# Altium PCB STB_LightBoard.PcbDoc (part 24 of 31) (continued)
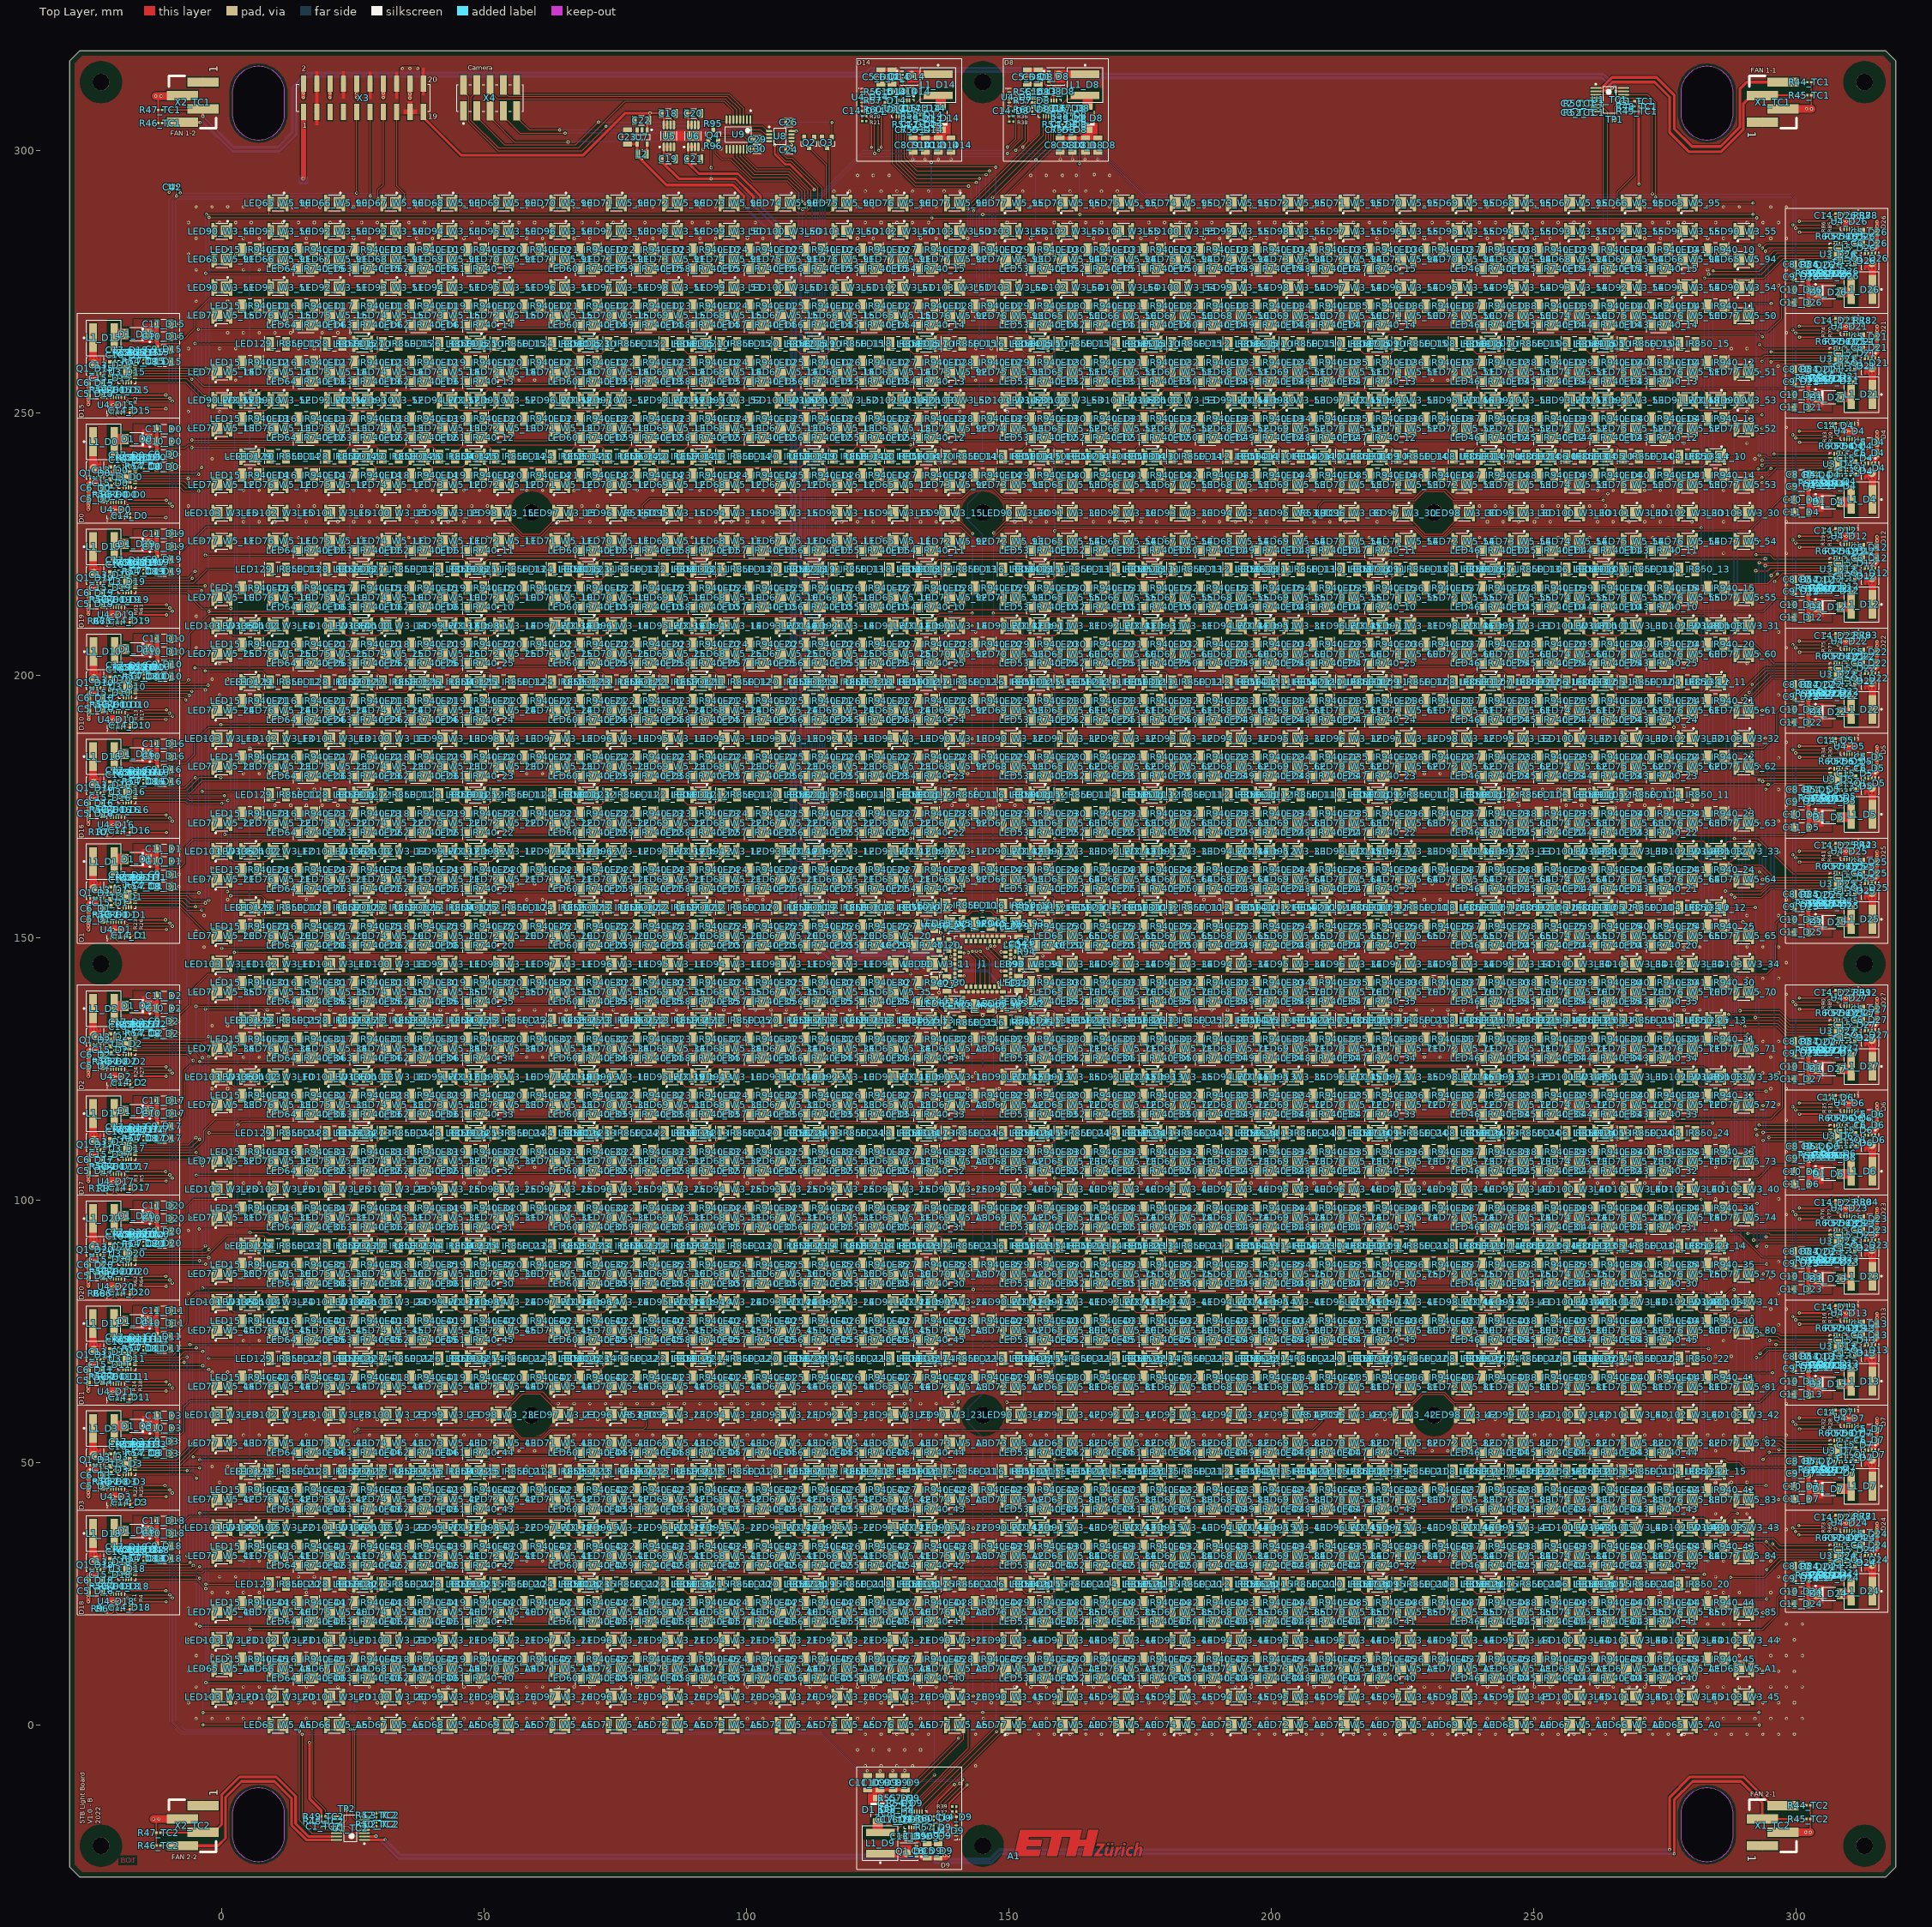
[diagram p0: Top Layer view]
## Nets (pads, with @x,y where several pads share a name; then routed paths per layer and width w, separated by ;. In a path a pad name is that pad's centre, name@x,y a point inside that pad or via, vN(x,y) a via of type N, cw(c..) or ccw(c..) an arc to the next point about the centre after c; other vN are vias at no path point) (continued)
  Top Layer w0.2: LED73_W5_81.1@247.678,64.44 LED73_W5_81.1@248.743,64.44 LED74_W5_81.2@256.084,64.44 256.525,64.44 LED74_W5_81.2@256.576,64.389
NetLED73_W5_82_1: LED73_W5_82.1 LED74_W5_82.2 | length 8.9
  Top Layer w0.2: LED73_W5_82.1@247.678,53.7 LED73_W5_82.1@248.743,53.7 LED74_W5_82.2@256.084,53.7 256.525,53.7 LED74_W5_82.2@256.576,53.649
NetLED73_W5_83_1: LED73_W5_83.1 LED74_W5_83.2 | length 8.9
  Top Layer w0.2: LED73_W5_83.1@247.678,42.96 LED73_W5_83.1@248.743,42.96 LED74_W5_83.2@256.084,42.96 256.525,42.96 LED74_W5_83.2@256.576,42.909
NetLED73_W5_84_1: LED73_W5_84.1 LED74_W5_84.2 | length 8.9
  Top Layer w0.2: LED73_W5_84.1@247.678,32.22 LED73_W5_84.1@248.743,32.22 LED74_W5_84.2@256.084,32.22 256.525,32.22 LED74_W5_84.2@256.576,32.169
NetLED73_W5_85_1: LED73_W5_85.1 LED74_W5_85.2 | length 8.9
  Top Layer w0.2: LED73_W5_85.1@247.678,21.48 LED73_W5_85.1@248.743,21.48 LED74_W5_85.2@256.084,21.48 256.525,21.48 LED74_W5_85.2@256.576,21.429
NetLED73_W5_90_1: LED73_W5_90.1 LED74_W5_90.2 | length 11.8
  Top Layer w0.2: LED73_W5_90.1@97.329,289.98 97.919,289.98 LED73_W5_90.1@98.369,289.98 98.369,288.705 98.696,288.378 105.383,288.378 105.71,288.705 LED74_W5_90.2@105.71,289.98 LED74_W5_90.2@106.325,289.98
NetLED73_W5_91_1: LED73_W5_91.1 LED74_W5_91.2 | length 9
  Top Layer w0.2: LED73_W5_91.1@86.563,279.24 LED73_W5_91.1@87.628,279.24 LED74_W5_91.2@94.969,279.24 LED74_W5_91.2@95.559,279.24
NetLED73_W5_92_1: LED73_W5_92.1 LED74_W5_92.2 | length 15.2
  Top Layer w0.2: v1(137.319,236.28) LED73_W5_92.1@137.933,236.28 LED73_W5_92.1@138.523,236.28 ; LED74_W5_92.2@140.743,247.02 LED74_W5_92.2@141.333,247.02 v1(142.019,247.02)
  Bottom Layer w0.2: v1(137.319,236.28) 137.319,242.32 v1(142.019,247.02)
NetLED73_W5_93_1: LED73_W5_93.1 LED74_W5_93.2 | length 15.1
  Top Layer w0.2: v1(148.02,247.02) LED74_W5_93.2@148.674,247.02 ; LED73_W5_93.1@151.009,236.28 LED73_W5_93.1@152.074,236.28 v1(152.78,236.28)
  Bottom Layer w0.2: v1(148.02,247.02) 152.78,242.26 v1(152.78,236.28)
NetLED73_W5_94_1: LED73_W5_94.1 LED74_W5_94.2 | length 7.9
  Top Layer w0.2: LED74_W5_94.2@195.038,279.24 LED73_W5_94.1@202.379,279.24 LED73_W5_94.1@202.969,279.24
NetLED73_W5_95_1: LED73_W5_95.1 LED74_W5_95.2 | length 9
  Top Layer w0.2: LED74_W5_95.2@183.682,289.98 184.747,289.98 192.088,289.98 LED73_W5_95.1@192.678,289.98
NetLED73_W5_A0_1: LED73_W5_A0.1 LED74_W5_A0.2 | length 9
  Top Layer w0.2: LED74_W5_A0.2@183.682,0 184.747,0 192.088,0 LED73_W5_A0.1@192.678,0
NetLED73_W5_A1_1: LED73_W5_A1.1 LED74_W5_A1.2 | length 9
  Top Layer w0.2: LED74_W5_A1.2@194.423,10.74 195.488,10.74 202.829,10.74 LED73_W5_A1.1@203.419,10.74
NetLED73_W5_A2_1: LED73_W5_A2.1 LED74_W5_A2.2 | length 15.6
  Top Layer w0.2: v1(148.06,42.96) LED74_W5_A2.2@148.674,42.96 LED74_W5_A2.2@149.264,42.96 ; LED73_W5_A2.1@151.009,53.7 LED73_W5_A2.1@152.074,53.7 v1(152.76,53.7)
  Bottom Layer w0.2: v1(148.06,42.96) 152.76,47.66 v1(152.76,53.7)
NetLED73_W5_A3_1: LED73_W5_A3.1 LED74_W5_A3.2 | length 15.3
  Top Layer w0.2: v1(137.247,53.7) LED73_W5_A3.1@137.933,53.7 LED73_W5_A3.1@138.523,53.7 ; LED74_W5_A3.2@140.743,42.96 LED74_W5_A3.2@141.333,42.96 v1(142.019,42.96)
  Bottom Layer w0.2: v1(137.247,53.7) 137.247,47.732 v1(142.019,42.96)
NetLED73_W5_A4_1: LED73_W5_A4.1 LED74_W5_A4.2 | length 9
  Top Layer w0.2: LED73_W5_A4.1@86.588,10.74 87.178,10.74 94.519,10.74 LED74_W5_A4.2@95.584,10.74
NetLED73_W5_A5_1: LED73_W5_A5.1 LED74_W5_A5.2 | length 9
  Top Layer w0.2: LED73_W5_A5.1@97.304,0 LED73_W5_A5.1@98.369,0 LED74_W5_A5.2@105.71,0 LED74_W5_A5.2@106.3,0
NetLED74_W5_10_1: LED74_W5_10.1 LED75_W5_10.2 | length 8.4
  Top Layer w0.2: LED75_W5_10.2@23.182,214.825 LED74_W5_10.1@30.523,214.825 LED74_W5_10.1@31.588,214.825
NetLED74_W5_11_1: LED74_W5_11.1 LED75_W5_11.2 | length 8.4
  Top Layer w0.2: LED75_W5_11.2@23.182,225.565 LED74_W5_11.1@30.523,225.565 LED74_W5_11.1@31.588,225.565
NetLED74_W5_12_1: LED74_W5_12.1 LED75_W5_12.2 | length 8.4
  Top Layer w0.2: LED75_W5_12.2@23.182,236.305 LED74_W5_12.1@30.523,236.305 LED74_W5_12.1@31.588,236.305
NetLED74_W5_13_1: LED74_W5_13.1 LED75_W5_13.2 | length 8.4
  Top Layer w0.2: LED75_W5_13.2@23.182,247.045 LED74_W5_13.1@30.523,247.045 LED74_W5_13.1@31.588,247.045
NetLED74_W5_14_1: LED74_W5_14.1 LED75_W5_14.2 | length 8.4
  Top Layer w0.2: LED75_W5_14.2@23.182,257.785 LED74_W5_14.1@30.523,257.785 LED74_W5_14.1@31.588,257.785
NetLED74_W5_15_1: LED74_W5_15.1 LED75_W5_15.2 | length 8.4
  Top Layer w0.2: LED75_W5_15.2@23.182,268.525 LED74_W5_15.1@30.523,268.525 LED74_W5_15.1@31.588,268.525
NetLED74_W5_20_1: LED74_W5_20.1 LED75_W5_20.2 | length 8.4
  Top Layer w0.2: LED75_W5_20.2@23.182,150.385 LED74_W5_20.1@30.523,150.385 LED74_W5_20.1@31.588,150.385
NetLED74_W5_21_1: LED74_W5_21.1 LED75_W5_21.2 | length 8.4
  Top Layer w0.2: LED75_W5_21.2@23.182,161.125 LED74_W5_21.1@30.523,161.125 LED74_W5_21.1@31.588,161.125
NetLED74_W5_22_1: LED74_W5_22.1 LED75_W5_22.2 | length 8.4
  Top Layer w0.2: LED75_W5_22.2@23.182,171.865 LED74_W5_22.1@30.523,171.865 LED74_W5_22.1@31.588,171.865
NetLED74_W5_23_1: LED74_W5_23.1 LED75_W5_23.2 | length 8.4
  Top Layer w0.2: LED75_W5_23.2@23.182,182.605 LED74_W5_23.1@30.523,182.605 LED74_W5_23.1@31.588,182.605
NetLED74_W5_24_1: LED74_W5_24.1 LED75_W5_24.2 | length 8.4
  Top Layer w0.2: LED75_W5_24.2@23.182,193.345 LED74_W5_24.1@30.523,193.345 LED74_W5_24.1@31.588,193.345
NetLED74_W5_25_1: LED74_W5_25.1 LED75_W5_25.2 | length 8.4
  Top Layer w0.2: LED75_W5_25.2@23.182,204.085 LED74_W5_25.1@30.523,204.085 LED74_W5_25.1@31.588,204.085
NetLED74_W5_30_1: LED74_W5_30.1 LED75_W5_30.2 | length 8.4
  Top Layer w0.2: LED75_W5_30.2@23.182,85.945 LED74_W5_30.1@30.523,85.945 LED74_W5_30.1@31.588,85.945
NetLED74_W5_31_1: LED74_W5_31.1 LED75_W5_31.2 | length 8.4
  Top Layer w0.2: LED75_W5_31.2@23.182,96.685 LED74_W5_31.1@30.523,96.685 LED74_W5_31.1@31.588,96.685
NetLED74_W5_32_1: LED74_W5_32.1 LED75_W5_32.2 | length 8.4
  Top Layer w0.2: LED75_W5_32.2@23.182,107.425 LED74_W5_32.1@30.523,107.425 LED74_W5_32.1@31.588,107.425
NetLED74_W5_33_1: LED74_W5_33.1 LED75_W5_33.2 | length 8.4
  Top Layer w0.2: LED75_W5_33.2@23.182,118.165 LED74_W5_33.1@30.523,118.165 LED74_W5_33.1@31.588,118.165
NetLED74_W5_34_1: LED74_W5_34.1 LED75_W5_34.2 | length 8.4
  Top Layer w0.2: LED75_W5_34.2@23.182,128.905 LED74_W5_34.1@30.523,128.905 LED74_W5_34.1@31.588,128.905
NetLED74_W5_35_1: LED74_W5_35.1 LED75_W5_35.2 | length 8.4
  Top Layer w0.2: LED75_W5_35.2@23.182,139.645 LED74_W5_35.1@30.523,139.645 LED74_W5_35.1@31.588,139.645
NetLED74_W5_40_1: LED74_W5_40.1 LED75_W5_40.2 | length 8.4
  Top Layer w0.2: LED75_W5_40.2@23.182,21.505 LED74_W5_40.1@30.523,21.505 LED74_W5_40.1@31.588,21.505
NetLED74_W5_41_1: LED74_W5_41.1 LED75_W5_41.2 | length 8.4
  Top Layer w0.2: LED75_W5_41.2@23.182,32.245 LED74_W5_41.1@30.523,32.245 LED74_W5_41.1@31.588,32.245
NetLED74_W5_42_1: LED74_W5_42.1 LED75_W5_42.2 | length 8.4
  Top Layer w0.2: LED75_W5_42.2@23.182,42.985 LED74_W5_42.1@30.523,42.985 LED74_W5_42.1@31.588,42.985
NetLED74_W5_43_1: LED74_W5_43.1 LED75_W5_43.2 | length 8.4
  Top Layer w0.2: LED75_W5_43.2@23.182,53.725 LED74_W5_43.1@30.523,53.725 LED74_W5_43.1@31.588,53.725
NetLED74_W5_44_1: LED74_W5_44.1 LED75_W5_44.2 | length 8.4
  Top Layer w0.2: LED75_W5_44.2@23.182,64.465 LED74_W5_44.1@30.523,64.465 LED74_W5_44.1@31.588,64.465
NetLED74_W5_45_1: LED74_W5_45.1 LED75_W5_45.2 | length 8.4
  Top Layer w0.2: LED75_W5_45.2@23.182,75.205 LED74_W5_45.1@30.523,75.205 LED74_W5_45.1@31.588,75.205
NetLED74_W5_50_1: LED74_W5_50.1 LED75_W5_50.2 | length 7.3
  Top Layer w0.2: LED74_W5_50.1@259.484,268.5 LED75_W5_50.2@266.825,268.5
NetLED74_W5_51_1: LED74_W5_51.1 LED75_W5_51.2 | length 7.3
  Top Layer w0.2: LED74_W5_51.1@259.484,257.76 LED75_W5_51.2@266.825,257.76
NetLED74_W5_52_1: LED74_W5_52.1 LED75_W5_52.2 | length 7.3
  Top Layer w0.2: LED74_W5_52.1@259.484,247.02 LED75_W5_52.2@266.825,247.02
NetLED74_W5_53_1: LED74_W5_53.1 LED75_W5_53.2 | length 7.3
  Top Layer w0.2: LED74_W5_53.1@259.484,236.28 LED75_W5_53.2@266.825,236.28
NetLED74_W5_54_1: LED74_W5_54.1 LED75_W5_54.2 | length 7.3
  Top Layer w0.2: LED74_W5_54.1@259.484,225.54 LED75_W5_54.2@266.825,225.54
NetLED74_W5_55_1: LED74_W5_55.1 LED75_W5_55.2 | length 7.3
  Top Layer w0.2: LED74_W5_55.1@259.484,214.8 LED75_W5_55.2@266.825,214.8
NetLED74_W5_60_1: LED74_W5_60.1 LED75_W5_60.2 | length 7.3
  Top Layer w0.2: LED74_W5_60.1@259.484,204.06 LED75_W5_60.2@266.825,204.06
NetLED74_W5_61_1: LED74_W5_61.1 LED75_W5_61.2 | length 7.3
  Top Layer w0.2: LED74_W5_61.1@259.484,193.32 LED75_W5_61.2@266.825,193.32
NetLED74_W5_62_1: LED74_W5_62.1 LED75_W5_62.2 | length 7.3
  Top Layer w0.2: LED74_W5_62.1@259.484,182.58 LED75_W5_62.2@266.825,182.58
NetLED74_W5_63_1: LED74_W5_63.1 LED75_W5_63.2 | length 7.3
  Top Layer w0.2: LED74_W5_63.1@259.484,171.84 LED75_W5_63.2@266.825,171.84
NetLED74_W5_64_1: LED74_W5_64.1 LED75_W5_64.2 | length 8.4
  Top Layer w0.2: LED74_W5_64.1@258.419,161.1 LED74_W5_64.1@259.484,161.1 LED75_W5_64.2@266.825,161.1
NetLED74_W5_65_1: LED74_W5_65.1 LED75_W5_65.2 | length 7.3
  Top Layer w0.2: LED74_W5_65.1@259.484,150.36 LED75_W5_65.2@266.825,150.36
NetLED74_W5_70_1: LED74_W5_70.1 LED75_W5_70.2 | length 8.4
  Top Layer w0.2: LED74_W5_70.1@258.419,139.62 LED74_W5_70.1@259.484,139.62 LED75_W5_70.2@266.825,139.62
NetLED74_W5_71_1: LED74_W5_71.1 LED75_W5_71.2 | length 7.3
  Top Layer w0.2: LED74_W5_71.1@259.484,128.88 LED75_W5_71.2@266.825,128.88
NetLED74_W5_72_1: LED74_W5_72.1 LED75_W5_72.2 | length 8.4
  Top Layer w0.2: LED74_W5_72.1@258.419,118.14 LED74_W5_72.1@259.484,118.14 LED75_W5_72.2@266.825,118.14
NetLED74_W5_73_1: LED74_W5_73.1 LED75_W5_73.2 | length 7.3
  Top Layer w0.2: LED74_W5_73.1@259.484,107.4 LED75_W5_73.2@266.825,107.4
NetLED74_W5_74_1: LED74_W5_74.1 LED75_W5_74.2 | length 7.3
  Top Layer w0.2: LED74_W5_74.1@259.484,96.66 LED75_W5_74.2@266.825,96.66
NetLED74_W5_75_1: LED74_W5_75.1 LED75_W5_75.2 | length 7.3
  Top Layer w0.2: LED74_W5_75.1@259.484,85.92 LED75_W5_75.2@266.825,85.92
NetLED74_W5_80_1: LED74_W5_80.1 LED75_W5_80.2 | length 7.3
  Top Layer w0.2: LED74_W5_80.1@259.484,75.18 LED75_W5_80.2@266.825,75.18
NetLED74_W5_81_1: LED74_W5_81.1 LED75_W5_81.2 | length 7.3
  Top Layer w0.2: LED74_W5_81.1@259.484,64.44 LED75_W5_81.2@266.825,64.44
NetLED74_W5_82_1: LED74_W5_82.1 LED75_W5_82.2 | length 7.3
  Top Layer w0.2: LED74_W5_82.1@259.484,53.7 LED75_W5_82.2@266.825,53.7
NetLED74_W5_83_1: LED74_W5_83.1 LED75_W5_83.2 | length 7.3
  Top Layer w0.2: LED74_W5_83.1@259.484,42.96 LED75_W5_83.2@266.825,42.96
NetLED74_W5_84_1: LED74_W5_84.1 LED75_W5_84.2 | length 7.3
  Top Layer w0.2: LED74_W5_84.1@259.484,32.22 LED75_W5_84.2@266.825,32.22
NetLED74_W5_85_1: LED74_W5_85.1 LED75_W5_85.2 | length 7.3
  Top Layer w0.2: LED74_W5_85.1@259.484,21.48 LED75_W5_85.2@266.825,21.48
NetLED74_W5_90_1: LED74_W5_90.1 LED75_W5_90.2 | length 12
  Top Layer w0.2: LED74_W5_90.1@108.07,289.98 108.66,289.98 LED74_W5_90.1@109.11,289.98 109.11,288.705 109.655,288.16 115.906,288.16 116.451,288.705 LED75_W5_90.2@116.451,289.98 LED75_W5_90.2@117.066,289.98
NetLED74_W5_91_1: LED74_W5_91.1 LED75_W5_91.2 | length 9
  Top Layer w0.2: LED74_W5_91.1@97.304,279.24 LED74_W5_91.1@98.369,279.24 LED75_W5_91.2@105.71,279.24 LED75_W5_91.2@106.3,279.24
NetLED74_W5_92_1: LED74_W5_92.1 LED75_W5_92.2 | length 15.2
  Top Layer w0.2: v1(137.319,247.02) LED74_W5_92.1@137.933,247.02 LED74_W5_92.1@138.523,247.02 ; LED75_W5_92.2@140.743,257.76 LED75_W5_92.2@141.333,257.76 v1(142.019,257.76)
  Bottom Layer w0.2: v1(137.319,247.02) 137.319,253.06 v1(142.019,257.76)
NetLED74_W5_93_1: LED74_W5_93.1 LED75_W5_93.2 | length 15.5
  Top Layer w0.2: v1(148.06,257.76) LED75_W5_93.2@148.674,257.76 LED75_W5_93.2@149.264,257.76 ; LED74_W5_93.1@151.009,247.02 LED74_W5_93.1@152.074,247.02 v1(152.68,247.02)
  Bottom Layer w0.2: v1(148.06,257.76) 152.68,253.14 v1(152.68,247.02)
NetLED74_W5_94_1: LED74_W5_94.1 LED75_W5_94.2 | length 7.9
  Top Layer w0.2: LED75_W5_94.2@184.297,279.24 LED74_W5_94.1@191.638,279.24 LED74_W5_94.1@192.228,279.24
NetLED74_W5_95_1: LED74_W5_95.1 LED75_W5_95.2 | length 9
  Top Layer w0.2: LED75_W5_95.2@172.941,289.98 174.006,289.98 181.347,289.98 LED74_W5_95.1@181.937,289.98
NetLED74_W5_A0_1: LED74_W5_A0.1 LED75_W5_A0.2 | length 9
  Top Layer w0.2: LED75_W5_A0.2@172.941,0 174.006,0 181.347,0 LED74_W5_A0.1@181.937,0
NetLED74_W5_A1_1: LED74_W5_A1.1 LED75_W5_A1.2 | length 9
  Top Layer w0.2: LED75_W5_A1.2@183.682,10.74 184.747,10.74 192.088,10.74 LED74_W5_A1.1@192.678,10.74
NetLED74_W5_A2_1: LED74_W5_A2.1 LED75_W5_A2.2 | length 15.6
  Top Layer w0.2: v1(148.06,32.22) LED75_W5_A2.2@148.674,32.22 LED75_W5_A2.2@149.264,32.22 ; LED74_W5_A2.1@151.009,42.96 LED74_W5_A2.1@152.074,42.96 v1(152.76,42.96)
  Bottom Layer w0.2: v1(148.06,32.22) 152.76,36.92 v1(152.76,42.96)
NetLED74_W5_A3_1: LED74_W5_A3.1 LED75_W5_A3.2 | length 15.2
  Top Layer w0.2: v1(137.319,42.96) LED74_W5_A3.1@137.933,42.96 LED74_W5_A3.1@138.523,42.96 ; LED75_W5_A3.2@140.743,32.22 LED75_W5_A3.2@141.333,32.22 v1(142.019,32.22)
  Bottom Layer w0.2: v1(137.319,42.96) 137.319,36.92 v1(142.019,32.22)
NetLED74_W5_A4_1: LED74_W5_A4.1 LED75_W5_A4.2 | length 9
  Top Layer w0.2: LED74_W5_A4.1@97.329,10.74 97.919,10.74 105.26,10.74 LED75_W5_A4.2@106.325,10.74
NetLED74_W5_A5_1: LED74_W5_A5.1 LED75_W5_A5.2 | length 9
  Top Layer w0.2: LED74_W5_A5.1@108.045,0 LED74_W5_A5.1@109.11,0 LED75_W5_A5.2@116.451,0 LED75_W5_A5.2@117.041,0
NetLED75_W5_10_1: LED75_W5_10.1 LED76_W5_10.2 | length 9
  Top Layer w0.2: LED76_W5_10.2@11.851,214.825 LED76_W5_10.2@12.441,214.825 LED75_W5_10.1@19.782,214.825 LED75_W5_10.1@20.847,214.825
NetLED75_W5_11_1: LED75_W5_11.1 LED76_W5_11.2 | length 9
  Top Layer w0.2: LED76_W5_11.2@11.851,225.565 LED76_W5_11.2@12.441,225.565 LED75_W5_11.1@19.782,225.565 LED75_W5_11.1@20.847,225.565
NetLED75_W5_12_1: LED75_W5_12.1 LED76_W5_12.2 | length 9
  Top Layer w0.2: LED76_W5_12.2@11.851,236.305 LED76_W5_12.2@12.441,236.305 LED75_W5_12.1@19.782,236.305 LED75_W5_12.1@20.847,236.305
NetLED75_W5_13_1: LED75_W5_13.1 LED76_W5_13.2 | length 9
  Top Layer w0.2: LED76_W5_13.2@11.851,247.045 LED76_W5_13.2@12.441,247.045 LED75_W5_13.1@19.782,247.045 LED75_W5_13.1@20.847,247.045
NetLED75_W5_14_1: LED75_W5_14.1 LED76_W5_14.2 | length 9
  Top Layer w0.2: LED76_W5_14.2@11.851,257.785 LED76_W5_14.2@12.441,257.785 LED75_W5_14.1@19.782,257.785 LED75_W5_14.1@20.847,257.785
NetLED75_W5_15_1: LED75_W5_15.1 LED76_W5_15.2 | length 9
  Top Layer w0.2: LED76_W5_15.2@11.851,268.525 LED76_W5_15.2@12.441,268.525 LED75_W5_15.1@19.782,268.525 LED75_W5_15.1@20.847,268.525
NetLED75_W5_20_1: LED75_W5_20.1 LED76_W5_20.2 | length 9
  Top Layer w0.2: LED76_W5_20.2@11.851,150.385 LED76_W5_20.2@12.441,150.385 LED75_W5_20.1@19.782,150.385 LED75_W5_20.1@20.847,150.385
NetLED75_W5_21_1: LED75_W5_21.1 LED76_W5_21.2 | length 9
  Top Layer w0.2: LED76_W5_21.2@11.851,161.125 LED76_W5_21.2@12.441,161.125 LED75_W5_21.1@19.782,161.125 LED75_W5_21.1@20.847,161.125
NetLED75_W5_22_1: LED75_W5_22.1 LED76_W5_22.2 | length 9
  Top Layer w0.2: LED76_W5_22.2@11.851,171.865 LED76_W5_22.2@12.441,171.865 LED75_W5_22.1@19.782,171.865 LED75_W5_22.1@20.847,171.865
NetLED75_W5_23_1: LED75_W5_23.1 LED76_W5_23.2 | length 9
  Top Layer w0.2: LED76_W5_23.2@11.851,182.605 LED76_W5_23.2@12.441,182.605 LED75_W5_23.1@19.782,182.605 LED75_W5_23.1@20.847,182.605
NetLED75_W5_24_1: LED75_W5_24.1 LED76_W5_24.2 | length 9
  Top Layer w0.2: LED76_W5_24.2@11.851,193.345 LED76_W5_24.2@12.441,193.345 LED75_W5_24.1@19.782,193.345 LED75_W5_24.1@20.847,193.345
NetLED75_W5_25_1: LED75_W5_25.1 LED76_W5_25.2 | length 9
  Top Layer w0.2: LED76_W5_25.2@11.851,204.085 LED76_W5_25.2@12.441,204.085 LED75_W5_25.1@19.782,204.085 LED75_W5_25.1@20.847,204.085
NetLED75_W5_30_1: LED75_W5_30.1 LED76_W5_30.2 | length 9
  Top Layer w0.2: LED76_W5_30.2@11.851,85.945 LED76_W5_30.2@12.441,85.945 LED75_W5_30.1@19.782,85.945 LED75_W5_30.1@20.847,85.945
NetLED75_W5_31_1: LED75_W5_31.1 LED76_W5_31.2 | length 9
  Top Layer w0.2: LED76_W5_31.2@11.851,96.685 LED76_W5_31.2@12.441,96.685 LED75_W5_31.1@19.782,96.685 LED75_W5_31.1@20.847,96.685
NetLED75_W5_32_1: LED75_W5_32.1 LED76_W5_32.2 | length 9
  Top Layer w0.2: LED76_W5_32.2@11.851,107.425 LED76_W5_32.2@12.441,107.425 LED75_W5_32.1@19.782,107.425 LED75_W5_32.1@20.847,107.425
NetLED75_W5_33_1: LED75_W5_33.1 LED76_W5_33.2 | length 9
  Top Layer w0.2: LED76_W5_33.2@11.851,118.165 LED76_W5_33.2@12.441,118.165 LED75_W5_33.1@19.782,118.165 LED75_W5_33.1@20.847,118.165
NetLED75_W5_34_1: LED75_W5_34.1 LED76_W5_34.2 | length 9
  Top Layer w0.2: LED76_W5_34.2@11.851,128.905 LED76_W5_34.2@12.441,128.905 LED75_W5_34.1@19.782,128.905 LED75_W5_34.1@20.847,128.905
NetLED75_W5_35_1: LED75_W5_35.1 LED76_W5_35.2 | length 9
  Top Layer w0.2: LED76_W5_35.2@11.851,139.645 LED76_W5_35.2@12.441,139.645 LED75_W5_35.1@19.782,139.645 LED75_W5_35.1@20.847,139.645
NetLED75_W5_40_1: LED75_W5_40.1 LED76_W5_40.2 | length 9
  Top Layer w0.2: LED76_W5_40.2@11.851,21.505 LED76_W5_40.2@12.441,21.505 LED75_W5_40.1@19.782,21.505 LED75_W5_40.1@20.847,21.505
NetLED75_W5_41_1: LED75_W5_41.1 LED76_W5_41.2 | length 9
  Top Layer w0.2: LED76_W5_41.2@11.851,32.245 LED76_W5_41.2@12.441,32.245 LED75_W5_41.1@19.782,32.245 LED75_W5_41.1@20.847,32.245
NetLED75_W5_42_1: LED75_W5_42.1 LED76_W5_42.2 | length 9
  Top Layer w0.2: LED76_W5_42.2@11.851,42.985 LED76_W5_42.2@12.441,42.985 LED75_W5_42.1@19.782,42.985 LED75_W5_42.1@20.847,42.985
NetLED75_W5_43_1: LED75_W5_43.1 LED76_W5_43.2 | length 9
  Top Layer w0.2: LED76_W5_43.2@11.851,53.725 LED76_W5_43.2@12.441,53.725 LED75_W5_43.1@19.782,53.725 LED75_W5_43.1@20.847,53.725
NetLED75_W5_44_1: LED75_W5_44.1 LED76_W5_44.2 | length 9
  Top Layer w0.2: LED76_W5_44.2@11.851,64.465 LED76_W5_44.2@12.441,64.465 LED75_W5_44.1@19.782,64.465 LED75_W5_44.1@20.847,64.465
NetLED75_W5_45_1: LED75_W5_45.1 LED76_W5_45.2 | length 9
  Top Layer w0.2: LED76_W5_45.2@11.851,75.205 LED76_W5_45.2@12.441,75.205 LED75_W5_45.1@19.782,75.205 LED75_W5_45.1@20.847,75.205
NetLED75_W5_50_1: LED75_W5_50.1 LED76_W5_50.2 | length 8.6
  Top Layer w0.2: LED75_W5_50.1@269.16,268.5 LED75_W5_50.1@270.225,268.5 LED76_W5_50.2@277.566,268.5 277.636,268.5 LED76_W5_50.2@277.712,268.424
NetLED75_W5_51_1: LED75_W5_51.1 LED76_W5_51.2 | length 8.6
  Top Layer w0.2: LED75_W5_51.1@269.16,257.76 LED75_W5_51.1@270.225,257.76 LED76_W5_51.2@277.566,257.76 277.636,257.76 LED76_W5_51.2@277.712,257.684
NetLED75_W5_52_1: LED75_W5_52.1 LED76_W5_52.2 | length 8.6
  Top Layer w0.2: LED75_W5_52.1@269.16,247.02 LED75_W5_52.1@270.225,247.02 LED76_W5_52.2@277.566,247.02 277.636,247.02 LED76_W5_52.2@277.712,246.944
NetLED75_W5_53_1: LED75_W5_53.1 LED76_W5_53.2 | length 8.6
  Top Layer w0.2: LED75_W5_53.1@269.16,236.28 LED75_W5_53.1@270.225,236.28 LED76_W5_53.2@277.566,236.28 277.636,236.28 LED76_W5_53.2@277.712,236.204
NetLED75_W5_54_1: LED75_W5_54.1 LED76_W5_54.2 | length 8.6
  Top Layer w0.2: LED75_W5_54.1@269.16,225.54 LED75_W5_54.1@270.225,225.54 LED76_W5_54.2@277.566,225.54 277.636,225.54 LED76_W5_54.2@277.712,225.464
NetLED75_W5_55_1: LED75_W5_55.1 LED76_W5_55.2 | length 8.6
  Top Layer w0.2: LED75_W5_55.1@269.16,214.8 LED75_W5_55.1@270.225,214.8 LED76_W5_55.2@277.566,214.8 277.636,214.8 LED76_W5_55.2@277.712,214.724
NetLED75_W5_60_1: LED75_W5_60.1 LED76_W5_60.2 | length 8.6
  Top Layer w0.2: LED75_W5_60.1@269.16,204.06 LED75_W5_60.1@270.225,204.06 LED76_W5_60.2@277.566,204.06 277.636,204.06 LED76_W5_60.2@277.712,203.984
NetLED75_W5_61_1: LED75_W5_61.1 LED76_W5_61.2 | length 8.6
  Top Layer w0.2: LED75_W5_61.1@269.16,193.32 LED75_W5_61.1@270.225,193.32 LED76_W5_61.2@277.566,193.32 277.636,193.32 LED76_W5_61.2@277.712,193.244
NetLED75_W5_62_1: LED75_W5_62.1 LED76_W5_62.2 | length 8.6
  Top Layer w0.2: LED75_W5_62.1@269.16,182.58 LED75_W5_62.1@270.225,182.58 LED76_W5_62.2@277.566,182.58 277.636,182.58 LED76_W5_62.2@277.712,182.504
NetLED75_W5_63_1: LED75_W5_63.1 LED76_W5_63.2 | length 8.6
  Top Layer w0.2: LED75_W5_63.1@269.16,171.84 LED75_W5_63.1@270.225,171.84 LED76_W5_63.2@277.566,171.84 277.636,171.84 LED76_W5_63.2@277.712,171.764
NetLED75_W5_64_1: LED75_W5_64.1 LED76_W5_64.2 | length 8.6
  Top Layer w0.2: LED75_W5_64.1@269.16,161.1 LED75_W5_64.1@270.225,161.1 LED76_W5_64.2@277.566,161.1 277.636,161.1 LED76_W5_64.2@277.712,161.024
NetLED75_W5_65_1: LED75_W5_65.1 LED76_W5_65.2 | length 8.6
  Top Layer w0.2: LED75_W5_65.1@269.16,150.36 LED75_W5_65.1@270.225,150.36 LED76_W5_65.2@277.566,150.36 277.636,150.36 LED76_W5_65.2@277.712,150.284
NetLED75_W5_70_1: LED75_W5_70.1 LED76_W5_70.2 | length 8.6
  Top Layer w0.2: LED75_W5_70.1@269.16,139.62 LED75_W5_70.1@270.225,139.62 LED76_W5_70.2@277.566,139.62 277.636,139.62 LED76_W5_70.2@277.712,139.544
NetLED75_W5_71_1: LED75_W5_71.1 LED76_W5_71.2 | length 8.6
  Top Layer w0.2: LED75_W5_71.1@269.16,128.88 LED75_W5_71.1@270.225,128.88 LED76_W5_71.2@277.566,128.88 277.636,128.88 LED76_W5_71.2@277.712,128.804
NetLED75_W5_72_1: LED75_W5_72.1 LED76_W5_72.2 | length 8.6
  Top Layer w0.2: LED75_W5_72.1@269.16,118.14 LED75_W5_72.1@270.225,118.14 LED76_W5_72.2@277.566,118.14 277.636,118.14 LED76_W5_72.2@277.712,118.064
NetLED75_W5_73_1: LED75_W5_73.1 LED76_W5_73.2 | length 8.6
  Top Layer w0.2: LED75_W5_73.1@269.16,107.4 LED75_W5_73.1@270.225,107.4 LED76_W5_73.2@277.566,107.4 277.636,107.4 LED76_W5_73.2@277.712,107.324
NetLED75_W5_74_1: LED75_W5_74.1 LED76_W5_74.2 | length 8.6
  Top Layer w0.2: LED75_W5_74.1@269.16,96.66 LED75_W5_74.1@270.225,96.66 LED76_W5_74.2@277.566,96.66 277.636,96.66 LED76_W5_74.2@277.712,96.584
NetLED75_W5_75_1: LED75_W5_75.1 LED76_W5_75.2 | length 8.6
  Top Layer w0.2: LED75_W5_75.1@269.16,85.92 LED75_W5_75.1@270.225,85.92 LED76_W5_75.2@277.566,85.92 277.636,85.92 LED76_W5_75.2@277.712,85.844
NetLED75_W5_80_1: LED75_W5_80.1 LED76_W5_80.2 | length 8.6
  Top Layer w0.2: LED75_W5_80.1@269.16,75.18 LED75_W5_80.1@270.225,75.18 LED76_W5_80.2@277.566,75.18 277.636,75.18 LED76_W5_80.2@277.712,75.104
NetLED75_W5_81_1: LED75_W5_81.1 LED76_W5_81.2 | length 8.6
  Top Layer w0.2: LED75_W5_81.1@269.16,64.44 LED75_W5_81.1@270.225,64.44 LED76_W5_81.2@277.566,64.44 277.636,64.44 LED76_W5_81.2@277.712,64.364
NetLED75_W5_82_1: LED75_W5_82.1 LED76_W5_82.2 | length 8.6
  Top Layer w0.2: LED75_W5_82.1@269.16,53.7 LED75_W5_82.1@270.225,53.7 LED76_W5_82.2@277.566,53.7 277.636,53.7 LED76_W5_82.2@277.712,53.624
NetLED75_W5_83_1: LED75_W5_83.1 LED76_W5_83.2 | length 8.6
  Top Layer w0.2: LED75_W5_83.1@269.16,42.96 LED75_W5_83.1@270.225,42.96 LED76_W5_83.2@277.566,42.96 277.636,42.96 LED76_W5_83.2@277.712,42.884
NetLED75_W5_84_1: LED75_W5_84.1 LED76_W5_84.2 | length 8.6
  Top Layer w0.2: LED75_W5_84.1@269.16,32.22 LED75_W5_84.1@270.225,32.22 LED76_W5_84.2@277.566,32.22 277.636,32.22 LED76_W5_84.2@277.712,32.144
NetLED75_W5_85_1: LED75_W5_85.1 LED76_W5_85.2 | length 8.6
  Top Layer w0.2: LED75_W5_85.1@269.16,21.48 LED75_W5_85.1@270.225,21.48 LED76_W5_85.2@277.566,21.48 277.636,21.48 LED76_W5_85.2@277.712,21.404
NetLED75_W5_90_1: LED75_W5_90.1 LED76_W5_90.2 | length 9
  Top Layer w0.2: LED75_W5_90.1@118.811,289.98 119.401,289.98 126.742,289.98 LED76_W5_90.2@127.782,289.98
NetLED75_W5_91_1: LED75_W5_91.1 LED76_W5_91.2 | length 9
  Top Layer w0.2: LED75_W5_91.1@108.045,279.24 LED75_W5_91.1@109.11,279.24 LED76_W5_91.2@116.451,279.24 LED76_W5_91.2@117.041,279.24
NetLED75_W5_92_1: LED75_W5_92.1 LED76_W5_92.2 | length 15.2
  Top Layer w0.2: v1(137.319,257.76) LED75_W5_92.1@137.933,257.76 LED75_W5_92.1@138.523,257.76 ; LED76_W5_92.2@140.743,268.5 LED76_W5_92.2@141.333,268.5 v1(142.019,268.5)
  Bottom Layer w0.2: v1(137.319,257.76) 137.319,263.8 v1(142.019,268.5)
NetLED75_W5_93_1: LED75_W5_93.1 LED76_W5_93.2 | length 15
  Top Layer w0.2: v1(148.1,268.6) 148.574,268.6 LED76_W5_93.2@148.674,268.5 ; LED75_W5_93.1@151.009,257.76 LED75_W5_93.1@152.074,257.76 152.66,257.76 v1(152.7,257.8)
  Bottom Layer w0.2: v1(148.1,268.6) 152.7,264 v1(152.7,257.8)
NetLED75_W5_94_1: LED75_W5_94.1 LED76_W5_94.2 | length 7.9
  Top Layer w0.2: LED76_W5_94.2@173.556,279.24 LED75_W5_94.1@180.897,279.24 LED75_W5_94.1@181.487,279.24
NetLED75_W5_95_1: LED75_W5_95.1 LED76_W5_95.2 | length 9
  Top Layer w0.2: LED76_W5_95.2@162.2,289.98 163.265,289.98 170.606,289.98 LED75_W5_95.1@171.196,289.98
NetLED75_W5_A0_1: LED75_W5_A0.1 LED76_W5_A0.2 | length 9
  Top Layer w0.2: LED76_W5_A0.2@162.2,0 163.265,0 170.606,0 LED75_W5_A0.1@171.196,0
NetLED75_W5_A1_1: LED75_W5_A1.1 LED76_W5_A1.2 | length 9
  Top Layer w0.2: LED76_W5_A1.2@172.941,10.74 174.006,10.74 181.347,10.74 LED75_W5_A1.1@181.937,10.74
NetLED75_W5_A2_1: LED75_W5_A2.1 LED76_W5_A2.2 | length 15.6
  Top Layer w0.2: v1(148.06,21.48) LED76_W5_A2.2@148.674,21.48 LED76_W5_A2.2@149.264,21.48 ; LED75_W5_A2.1@151.009,32.22 LED75_W5_A2.1@152.074,32.22 v1(152.76,32.22)
  Bottom Layer w0.2: v1(148.06,21.48) 152.76,26.18 v1(152.76,32.22)
NetLED75_W5_A3_1: LED75_W5_A3.1 LED76_W5_A3.2 | length 14.9
  Top Layer w0.2: v1(137.319,32.22) LED75_W5_A3.1@137.933,32.22 LED75_W5_A3.1@138.523,32.22 ; LED76_W5_A3.2@141.03,21.48 LED76_W5_A3.2@141.333,21.48 v1(142.019,21.48)
  Bottom Layer w0.2: v1(137.319,32.22) 137.319,26.18 v1(142.019,21.48)
NetLED75_W5_A4_1: LED75_W5_A4.1 LED76_W5_A4.2 | length 9
  Top Layer w0.2: LED75_W5_A4.1@108.07,10.74 108.66,10.74 116.001,10.74 LED76_W5_A4.2@117.066,10.74
NetLED75_W5_A5_1: LED75_W5_A5.1 LED76_W5_A5.2 | length 9
  Top Layer w0.2: LED75_W5_A5.1@118.786,0 LED75_W5_A5.1@119.851,0 LED76_W5_A5.2@127.192,0 LED76_W5_A5.2@127.782,0
NetLED76_W5_10_1: LED76_W5_10.1 LED77_W5_10.2 | length 8.4
  Top Layer w0.2: LED77_W5_10.2@1.7,214.825 LED76_W5_10.1@9.041,214.825 LED76_W5_10.1@10.106,214.825
NetLED76_W5_11_1: LED76_W5_11.1 LED77_W5_11.2 | length 8.4
  Top Layer w0.2: LED77_W5_11.2@1.7,225.565 LED76_W5_11.1@9.041,225.565 LED76_W5_11.1@10.106,225.565
NetLED76_W5_12_1: LED76_W5_12.1 LED77_W5_12.2 | length 8.4
  Top Layer w0.2: LED77_W5_12.2@1.7,236.305 LED76_W5_12.1@9.041,236.305 LED76_W5_12.1@10.106,236.305
NetLED76_W5_13_1: LED76_W5_13.1 LED77_W5_13.2 | length 8.4
  Top Layer w0.2: LED77_W5_13.2@1.7,247.045 LED76_W5_13.1@9.041,247.045 LED76_W5_13.1@10.106,247.045
NetLED76_W5_14_1: LED76_W5_14.1 LED77_W5_14.2 | length 8.4
  Top Layer w0.2: LED77_W5_14.2@1.7,257.785 LED76_W5_14.1@9.041,257.785 LED76_W5_14.1@10.106,257.785
NetLED76_W5_15_1: LED76_W5_15.1 LED77_W5_15.2 | length 8.4
  Top Layer w0.2: LED77_W5_15.2@1.7,268.525 LED76_W5_15.1@9.041,268.525 LED76_W5_15.1@10.106,268.525
NetLED76_W5_20_1: LED76_W5_20.1 LED77_W5_20.2 | length 8.4
  Top Layer w0.2: LED77_W5_20.2@1.7,150.385 LED76_W5_20.1@9.041,150.385 LED76_W5_20.1@10.106,150.385
NetLED76_W5_21_1: LED76_W5_21.1 LED77_W5_21.2 | length 8.4
  Top Layer w0.2: LED77_W5_21.2@1.7,161.125 LED76_W5_21.1@9.041,161.125 LED76_W5_21.1@10.106,161.125
NetLED76_W5_22_1: LED76_W5_22.1 LED77_W5_22.2 | length 8.4
  Top Layer w0.2: LED77_W5_22.2@1.7,171.865 LED76_W5_22.1@9.041,171.865 LED76_W5_22.1@10.106,171.865
NetLED76_W5_23_1: LED76_W5_23.1 LED77_W5_23.2 | length 8.4
  Top Layer w0.2: LED77_W5_23.2@1.7,182.605 LED76_W5_23.1@9.041,182.605 LED76_W5_23.1@10.106,182.605
NetLED76_W5_24_1: LED76_W5_24.1 LED77_W5_24.2 | length 8.4
  Top Layer w0.2: LED77_W5_24.2@1.7,193.345 LED76_W5_24.1@9.041,193.345 LED76_W5_24.1@10.106,193.345
NetLED76_W5_25_1: LED76_W5_25.1 LED77_W5_25.2 | length 8.4
  Top Layer w0.2: LED77_W5_25.2@1.7,204.085 LED76_W5_25.1@9.041,204.085 LED76_W5_25.1@10.106,204.085
NetLED76_W5_30_1: LED76_W5_30.1 LED77_W5_30.2 | length 8.4
  Top Layer w0.2: LED77_W5_30.2@1.7,85.945 LED76_W5_30.1@9.041,85.945 LED76_W5_30.1@10.106,85.945
NetLED76_W5_31_1: LED76_W5_31.1 LED77_W5_31.2 | length 8.4
  Top Layer w0.2: LED77_W5_31.2@1.7,96.685 LED76_W5_31.1@9.041,96.685 LED76_W5_31.1@10.106,96.685
NetLED76_W5_32_1: LED76_W5_32.1 LED77_W5_32.2 | length 8.4
  Top Layer w0.2: LED77_W5_32.2@1.7,107.425 LED76_W5_32.1@9.041,107.425 LED76_W5_32.1@10.106,107.425
NetLED76_W5_33_1: LED76_W5_33.1 LED77_W5_33.2 | length 8.4
  Top Layer w0.2: LED77_W5_33.2@1.7,118.165 LED76_W5_33.1@9.041,118.165 LED76_W5_33.1@10.106,118.165
NetLED76_W5_34_1: LED76_W5_34.1 LED77_W5_34.2 | length 8.4
  Top Layer w0.2: LED77_W5_34.2@1.7,128.905 LED76_W5_34.1@9.041,128.905 LED76_W5_34.1@10.106,128.905
NetLED76_W5_35_1: LED76_W5_35.1 LED77_W5_35.2 | length 8.4
  Top Layer w0.2: LED77_W5_35.2@1.7,139.645 LED76_W5_35.1@9.041,139.645 LED76_W5_35.1@10.106,139.645
NetLED76_W5_40_1: LED76_W5_40.1 LED77_W5_40.2 | length 8.4
  Top Layer w0.2: LED77_W5_40.2@1.7,21.505 LED76_W5_40.1@9.041,21.505 LED76_W5_40.1@10.106,21.505